# Altium PCB Layout.PcbDoc (part 1 of 2) (continued)
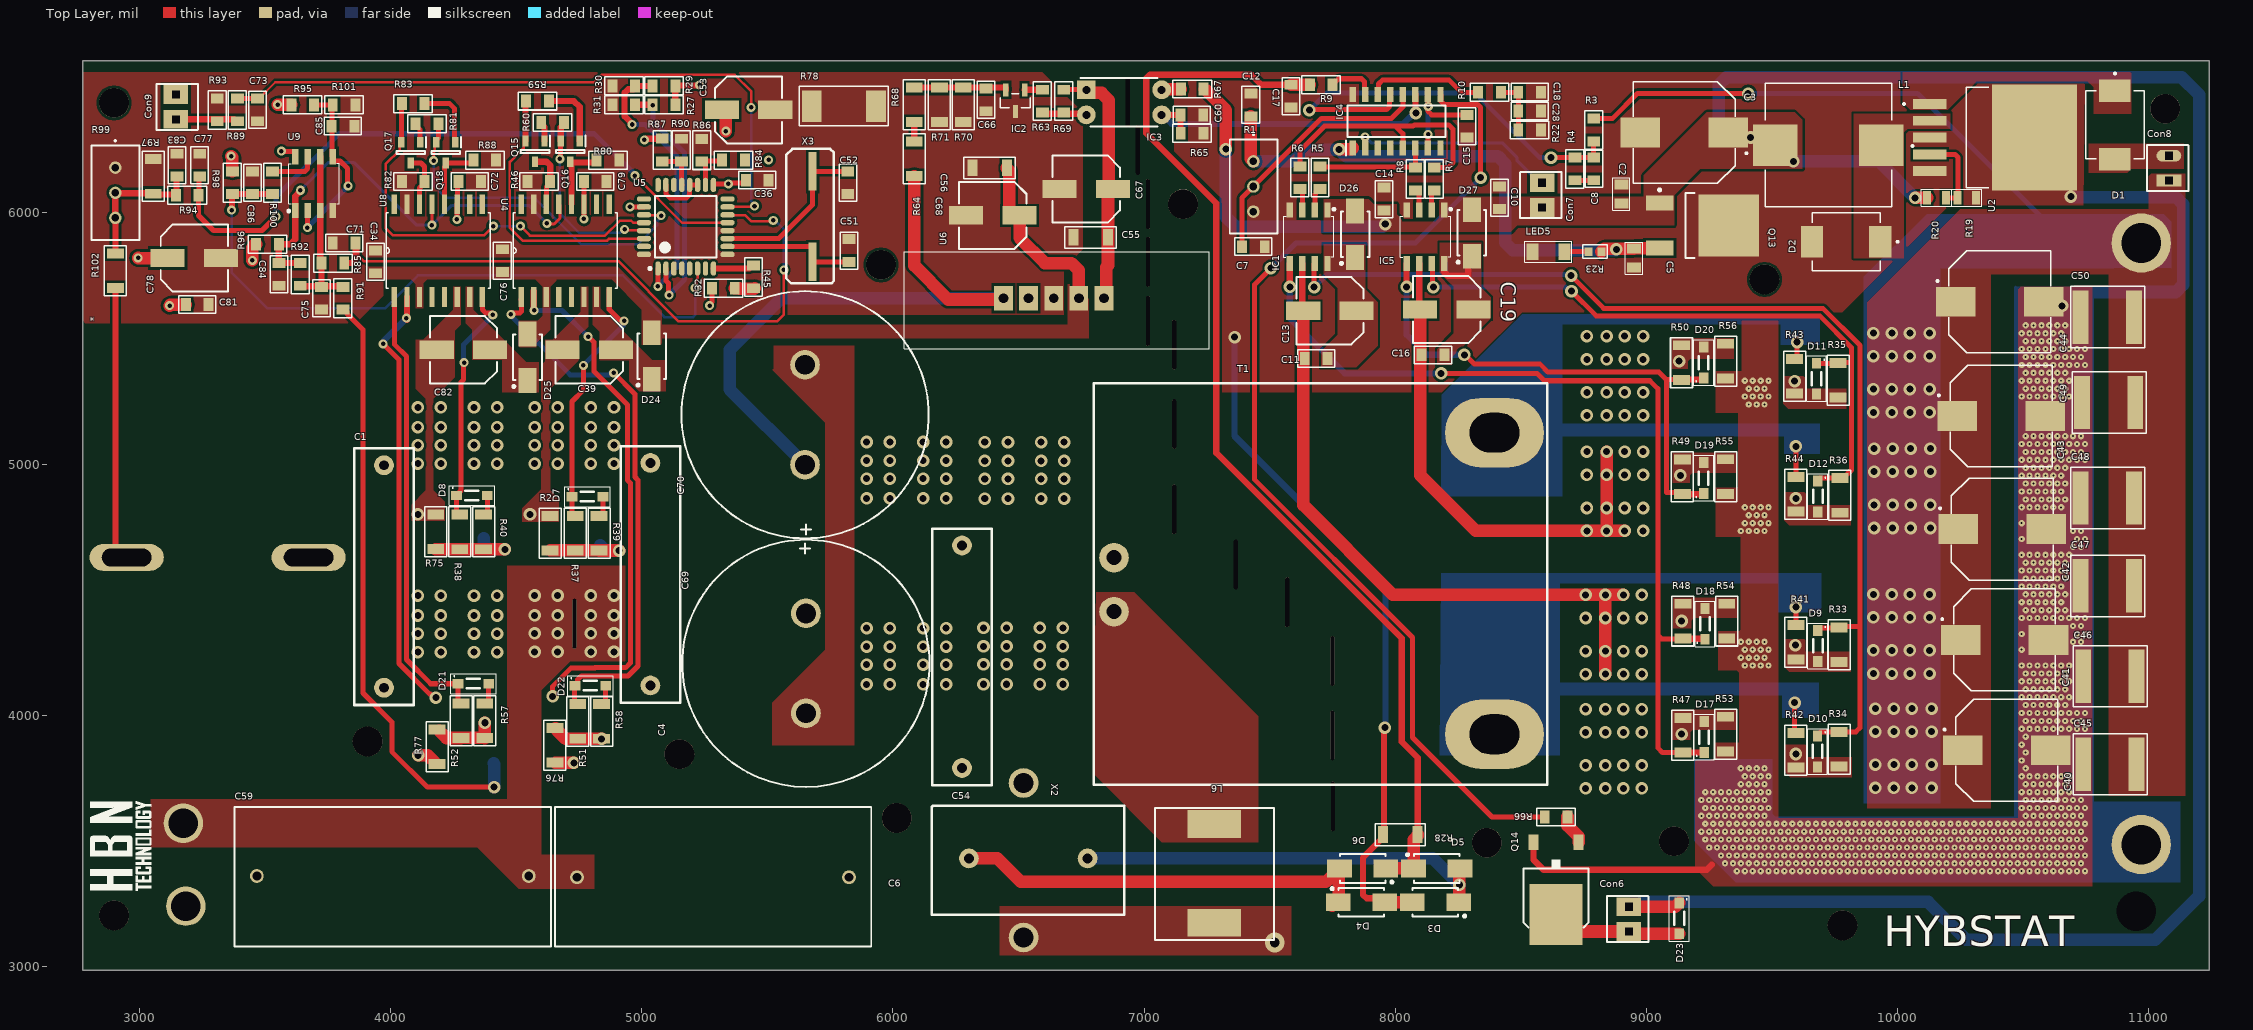
[diagram p0: Top Layer view]
## Footprints (in the part's own frame and the unit in brackets; to place one, negate y for a bottom-side part, rotate by r counter-clockwise, add the part's x,y. Pads: shape width x height; smd on the part's side, far side on the other; paste and mask are expansions set on the pad)
2pinCon [mm]
  rect 2.5x1.9 hole 0.762 square: 1(0,0.025) 2(0,-2.475)
  silkscreen extent -1.96,-3.57 2.22,1.1, body extent -3.3,-3.81 3.05,1.27, height 10.68
"680nF bulk" [mm]
  round 2 hole 1: 1(1.75,3) 2(24.25,3)
  silkscreen extent 0,-0.03 25.95,6, body extent -0.35,-0.05 26.15,5.95, height 15
3386W [mm]
  round 1.26 hole 0.76: 1(-2.54,-2.44) 2(0,-2.44) 3(2.54,-2.44)
  silkscreen extent -5.32,-4.83 4.76,0
C-0805 [mm]
  rect 1x1.4 smd: 1(-0.95,0) 2(0.95,0)
  silkscreen extent -1.63,-0.87 1.63,0.87, body extent -1,-0.62 1,0.63, height 1.01
C-0805W [mm] "capacitor 0805 wave soldering"
  rect 1x1.3 smd: 1(-1.15,0) 2(1.15,0)
  silkscreen extent -1.88,-0.9 1.88,0.87, body extent -1,-0.63 1,0.63, height 0.78
C-1206W [mm] "capacitor 1206 wave soldering"
  rect 1x1.7 smd: 1(-1.75,0) 2(1.75,0)
  silkscreen extent -2.6,-1.07 2.6,1.1, body extent -1.6,-0.8 1.6,0.8, height 1
C-2220R [mm] "capacitor 2220 reflow soldering"
  rect 1.6x5.4 smd: 1(-2.7,0) 2(2.7,0)
  silkscreen extent -3.8,-3.1 3.7,3.1, body extent -2.85,-2.5 2.85,2.5, height 2.24
"CAP.POL 22UF 500VDC - duplicate" [mm]
  round 1.4 hole 0.9: 1(0,0) 2(27.5,0)
  silkscreen extent -2.25,-6.98 29.75,7.11, body extent -1.22,-6.45 28.77,6.55, height 23.01
CAP_EEETC1C331V#1 [mm]
  rect 4x3 smd paste-2 mask+0: 1(-4.445,0) 2(4.445,0)
  silkscreen extent -6.4,-5.15 5.15,5.15, body extent -5.85,-5.15 5.85,5.15, height 10.52
CAP_EEETC1C331V#2 [mm]
  rect 4x3 smd paste-2 mask+0.102: 1(-4.445,0)
  rect 4x3 smd paste-2 mask+0: 2(4.445,0)
  silkscreen extent -6.4,-5.15 5.15,5.15, body extent -5.85,-5.15 5.85,5.15, height 10.52
CapSmdElc [mm] "Aluminum Electrolytic Capacitor, Body 6.70x6.70x6.30mm, IPC Low Density"
  rect 3.45x1.85 smd: 1(-2.7,0) 2(2.7,0)
  silkscreen extent -3.4,-3.4 3.4,3.4, body extent -3.45,-3.27 3.55,3.32, height 6.92
Conn [mm]
  rect 2.5x1.2 hole 0.762 square: 1(0,0.025)
  oval 2.5x1.2 hole 0.762 square: 2(0,-2.475)
  silkscreen extent -1.96,-3.57 2.22,1.1, body extent -1.24,-3.74 1.3,1.34, height 8.15
crystal [mm]
  rect 3.9x0.8 smd: 1(0,0) 2(9.153,0)
  silkscreen extent -2.16,-2.16 11.43,2.67, body extent -1.67,-2.27 10.83,2.53, height 4.01
ct [mm]
  round 2 hole 1: 1(0,0) 2(12,0)
  round 3 hole 2: 3(6.477,-7.62) 4(6.477,8.001)
  silkscreen extent -3.68,-5.33 15.75,5.72
D-PAK_TO252AA [mm] "D-PAK_TO252AA"
  rect 1x1.6 smd: 1(-2.28,-4.8) 3(2.28,-4.8)
  rect 5.4x6.2 smd: 4(0,2.5)
  silkscreen extent -3.28,-3.02 3.28,3.82, body extent -3.35,-4.82 3.15,3.88, height 2.3
DIOM7959X265N [mm]
  rect 2.25x3.18 smd: A(3.455,0) C(-3.455,0)
  silkscreen extent -5.3,-2.95 3.44,2.95, body extent -4.1,-2.95 3.84,2.95, height 2.62
DIP762W60P254L458H480Q4N [mm]
  rect 1.9x1.9 hole 0.8: 1(-3.81,1.27)
  round 1.9 hole 0.8: 2(-3.81,-1.27) 3(3.81,-1.27) 4(3.81,1.27)
  silkscreen extent -4.41,-2.44 3.4,2.44, body extent -3.96,-2.29 3.96,2.29, height 4.8
DO-214AC [mm]
  rect 2.5x1.8 smd: a(2.35,0) k(-2.35,0)
  silkscreen extent -3.08,-1.45 2.3,1.51, body extent -2.77,-1.42 2.72,1.37, height 2.3
DPAK_TO263 [mm] "D2-PAK, 3-Pads, Body 7.93x8.70mm (max), IPC Medium Density"
  rect 3.81x2.32 smd: 1(-6.2,2.54) 2(-6.2,-2.54)
  rect 9.65x11 smd: 3(5,0)
  silkscreen extent -6.32,-5.35 -1.62,5.35, body extent -7.51,-4.98 8.16,5.02, height 4.81
"DPAK_TO263 - sch" [mm] "D2-PAK, 3-Pads, Body 7.93x8.70mm (max), IPC Medium Density"
  rect 3.81x2.32 smd: 1(-6.2,2.54) 2(-6.2,-2.54)
  rect 9.65x11 smd: 1(5,0)
  silkscreen extent -6.32,-5.35 -1.62,5.35, body extent -7.51,-4.98 8.16,5.02, height 4.81
EG1185 [mm]
  rect 2.5x1.9 hole 1: 1(0,-3.81) 2(0,-1.27) 3(0,1.27) 4(0,3.81) 5(0,6.35)
  silkscreen extent -4.7,-13.84 5.08,17.02
EG8010 [mm]
  oval 1.45x0.55 smd: 1(-4.225,2.8) 2(-4.225,2) 3(-4.225,1.2) 4(-4.225,0.4) 5(-4.225,-0.4) 6(-4.225,-1.2) 7(-4.225,-2) 8(-4.225,-2.8) 17(4.225,-2.8) 18(4.225,-2) 19(4.225,-1.2) 20(4.225,-0.4) 21(4.225,0.4) 22(4.225,1.2) 23(4.225,2) 24(4.225,2.8)
  oval 0.55x1.45 smd: 9(-2.8,-4.225) 10(-2,-4.225) 11(-1.2,-4.225) 12(-0.4,-4.225) 13(0.4,-4.225) 14(1.2,-4.225) 15(2,-4.225) 16(2.8,-4.225) 25(2.8,4.225) 26(2,4.225) 27(1.2,4.225) 28(0.4,4.225) 29(-0.4,4.225) 30(-1.2,4.225) 31(-2,4.225) 32(-2.8,4.225)
  silkscreen extent -4.35,-3.1 3.1,3.75, body extent -4.5,-4.5 4.5,4.5, height 1.6
eq4020 [mm]
  round 3 hole 1.5: 1(1.016,22.86) 2(1.016,17.399)
  oval 10x7 hole 4 slot 5 at 0 deg: 3(39.497,5) 4(39.497,35.5)
  silkscreen extent -1.02,-0.13 44.83,40.51
IND_MDH12577C-101MA=P3 [mm]
  rect 4.5x4.2 smd: 1(-5.35,0) 2(5.35,0)
  silkscreen extent -8.6,-6.25 6.4,6.25, body extent -6.36,-6.28 6.44,6.22, height 8
inductor [mm]
  rect 5.4x2.8 smd: 1(0,5) 2(0,-5)
  silkscreen extent -6.02,-6.6 6.02,6.73, body extent -6.38,-6.25 6.12,6.25, height 8.01
Koshin [mm]
  round 3 hole 2: 1(0,0) 2(10.1,0)
  silkscreen extent -7.45,-12.5 19.1,12.5, body extent -6.05,-11.18 15.95,10.82, height 49.77
LED1206 [mm]
  rect 1.2x1.7 smd: 1(-1.6,0) 2(1.6,0)
  silkscreen extent -2.4,-1.05 2.37,1.05, body extent -1.73,-0.8 1.48,0.8, height 1.11
Lgrid [mm]
  oval 7.5x2.7 hole 1.8 slot 5 at 0 deg: 1(10.687,-0.59) 2(-7.713,-0.59)
  body extent -11.28,-23.59 13.72,22.41, height 48.01
R-0603R [mm] "resistor 0603 reflow soldering"
  rect 0.8x0.9 smd: 1(-0.65,0) 2(0.65,0)
  silkscreen extent -1.25,-0.67 1.25,0.7, body extent -0.8,-0.4 0.8,0.4, height 0.45
R-0805 [mm]
  rect 0.8x1.4 smd: 1(-0.95,0) 2(0.95,0)
  silkscreen extent -1.53,-0.87 1.53,0.87, body extent -1,-0.62 1,0.62, height 0.56
R-0805W [mm] "resistor 0805 wave soldering"
  rect 1x1.3 smd: 1(-1.15,0) 2(1.15,0)
  silkscreen extent -1.95,-0.9 1.95,0.9, body extent -1,-0.62 1,0.63, height 0.5
R-1206W [mm] "resistor 1206 wave soldering"
  rect 1x1.7 smd: 1(-1.75,0) 2(1.75,0)
  silkscreen extent -2.52,-1.1 2.52,1.12, body extent -1.55,-0.77 1.55,0.78, height 0.55
R-2512W [mm] "resistor 2512 wave soldering"
  rect 2x3.2 smd: 1(-3.25,0) 2(3.25,0)
  silkscreen extent -4.5,-2 4.5,2, body extent -3.15,-1.55 3.15,1.55, height 0.55
SOD123 [mm]
  rect 1.1x0.95 smd: a(3.063,0.05) k(-0.062,0.05)
  silkscreen extent -0.8,-0.95 3.8,1.05, body extent -0.38,-0.78 3.32,0.83, height 1.28
SOIC127P600X175-8N [mm]
  rect 1.525x0.65 smd: 1(-2.712,1.905) 2(-2.712,0.635) 3(-2.712,-0.635) 4(-2.712,-1.905) 5(2.712,-1.905) 6(2.712,-0.635) 7(2.712,0.635) 8(2.712,1.905)
  silkscreen extent -2.89,-2.53 2.07,2.67, body extent -3,-2.45 3,2.45, height 1.75
SOIC127P600X175-16N [mm]
  rect 1.525x0.65 smd: 1(-2.712,4.445) 2(-2.712,3.175) 3(-2.712,1.905) 4(-2.712,0.635) 5(-2.712,-0.635) 6(-2.712,-1.905) 7(-2.712,-3.175) 8(-2.712,-4.445) 9(2.712,-4.445) 10(2.712,-3.175) 11(2.712,-1.905) 12(2.712,-0.635) 13(2.712,0.635) 14(2.712,1.905) 15(2.712,3.175) 16(2.712,4.445)
  silkscreen extent -3.47,-4.95 1.6,5.12, body extent -3,-4.95 3,4.95, height 1.75
SOIC127P1032X265-16N [mil]
  rect 78x21 smd: 1(-185,175) 2(-185,125) 3(-185,75) 4(-185,25) 5(-185,-25) 6(-185,-75) 7(-185,-125) 8(-185,-175) 9(185,-175) 10(185,-125) 11(185,-75) 12(185,-25) 13(185,25) 14(185,75) 15(185,125) 16(185,175)
  silkscreen extent -150,-207 150,207, body extent -204,-205 202,203, height 104
SOT95P237X112-3N [mil]
  rect 52x22 smd: 1(-43,37) 2(-43,-37)
  rect 52x20 smd: 3(43,0)
  silkscreen extent -28,-60 28,60, body extent -50,-57 50,57, height 40
SOT96P240X100-3N [mm]
  rect 1.1x0.65 smd: 1(-1.05,0.96) 2(-1.05,-0.96) 3(1.05,0)
  silkscreen extent -1.6,-1.45 0.15,1.54, body extent -1.2,-1.45 1.2,1.45, height 1
TO-252 [mm]
  rect 2.8x1.5 smd: 1(-4,2.275) 3(-4,-2.275)
  rect 6.1x6.3 smd: 4(3,0)
  silkscreen extent -4.12,-3.3 -0.45,3.72, body extent -4.52,-3.37 5.58,3.37, height 2.41
VREG_TPS79625KTTR [mm]
  rect 3.4x1 smd paste-3 mask+0: 1(-10.6,3.4) 2(-10.6,1.7) 3(-10.6,0) 4(-10.6,-1.7) 5(-10.6,-3.4)
  rect 8.6x10.7 smd paste-6 mask+0: 6(0,0)
  silkscreen extent -13.3,-5.08 -4.62,5.08, body extent -11.52,-5.1 2.83,5.06, height 4.78

## Part data
C1 C4 C54: library part 680
C2 C5: library part C-0805
C3: library part "CAP 330UF SMD", "CAP ALUM 330UF 20% 16V SMD", Package="RADIAL-2 Panasonic", Availability="In Stock", Check_prices=https://www.snapeda.com/parts/EEE-TC1C331V/Panasonic/view-part/6178283/?ref=eda, MF="Panasonic Electronic Components", MP=EEE-TC1C331V, Price=None, Purchase-URL=https://pricing.snapeda.com/search/part/EEE-TC1C331V/?ref=eda, SnapEDA_Link=https://www.snapeda.com/parts/EEE-TC1C331V/Panasonic/view-part/6178283/?ref=snap
C6 C59: library part "CAP.POL 22UF 500VDC", ComponentLink1Description=https://www.ozdisan.com/pasif-komponentler/kondansatorler/film-kondansatorler/C3D2H226JB00C00, ComponentLink1URL=https://www.ozdisan.com/pasif-komponentler/kondansatorler/film-kondansatorler/C3D2H226JB00C00
C13 C19 C39 C53 C78 C82: library part "100 uF Electr Cap"
C40 C41 C42 C43 C44: library part "Aluminum Electrolytic Capacitors", Capacitance=4.7mF, Case/Package=Radial, Manufacturer=Nichicon, Manufacturer Part Number=LKS1J472MESZ, Max Operating Temperature=85°C, Min Operating Temperature=-40°C, Package Quantity=250, Ripple Current=3A, Supplier Part Number 1=647-LKS1J472MESZ, Tolerance=20%, Voltage Rating=63V, ComponentLink2Description=https://www.ozdisan.com/pasif-komponentler/kondansatorler/aluminyum-kondansatorler/PKL5-063V472MM450, ComponentLink2URL=https://www.ozdisan.com/pasif-komponentler/kondansatorler/aluminyum-kondansatorler/PKL5-063V472MM450, Diameter=22mm, Height - Seated (Max)=1.772inch, Lead Pitch=0.394inch, Length=45mm, Life (Hours)=1000Hour, Mount="Through Hole", Packaging=Bulk, RoHS=Yes, Supplier 1=Mouser, Termination="Snap in", Voltage Rating (DC)=63V
C45 C46 C47 C48 C49 C50: library part Cap2220, "2220", Manufacturer=SAMSUNG, Özdisan Part Number=CL31B475KBHNNNE, Link=https://www.ozdisan.com/pasif-komponentler/kondansatorler/smd-kondansatorler-mlcc/CL31B475KBHNNNE, Price=0,10407
C67 C68: library part CAPSMDELC
C69 C70: library part "CAP.EL.220uF 500V", ComponentLink1Description=https://www.ozdisan.com/pasif-komponentler/kondansatorler/aluminyum-kondansatorler/K055002210PM0E040, ComponentLink1URL=https://www.ozdisan.com/pasif-komponentler/kondansatorler/aluminyum-kondansatorler/K055002210PM0E040
D1 D2: "Diode Schottky 40V 5A Surface Mount DO-214AA (SMB)", Package="DO-214 ON Semiconductor", Arrow_Electronics-Purchase-URL=https://snapeda.com/shop?store=Arrow+Electronics&id=432205, Availability=Good, DigiKey-Purchase-URL=https://snapeda.com/shop?store=DigiKey&id=432205, MF="ON Semiconductor", Mouser-Purchase-URL=https://snapeda.com/shop?store=Mouser&id=432205, MP=MBRS320T3G, Price=None, SnapEDA_Link=https://www.snapeda.com/parts/MBRS320T3G/ON%20Semiconductor/view-part/432205/?ref=snap
D3 D4 D5 D6 D13 D14 D15 D16 D24 D25 D26 D27: "DIODE FAST SWITCHING Single 150mA 75V SMT SOD323"
D7 D8 D9 D10 D11 D12 D17 D18 D19 D20 D21 D22 D23: library part 1N4148W-E3-18, "Diode Small Signal Switching 100V 0.15A 2-Pin SOD-123 T/R", Average Rectified Current=150mA, Forward Voltage=1.2V, Manufacturer=Vishay, Max Operating Temperature=150°C, Max Power Dissipation=350mW, Max Repetitive Reverse Voltage (Vrrm)=100V, Max Reverse Leakage Current=5uA, Max Reverse Voltage (DC)=75V, Max Surge Current=2A, Min Operating Temperature=-55°C, Package Quantity=10000, Peak Reverse Current=100uA, Supplier Part Number 1=70061597, ComponentLink1Description=https://datasheet.ciiva.com/29885/1n4148w-29885941.pdf?src-supplier=Avnet, ComponentLink1URL=https://datasheet.ciiva.com/29885/1n4148w-29885941.pdf?src-supplier=Avnet, ComponentLink2Description=https://datasheet.ciiva.com/29593/1n4148w-29593113.pdf?src-supplier=Digi-Key, ComponentLink2URL=https://datasheet.ciiva.com/29593/1n4148w-29593113.pdf?src-supplier=Digi-Key, ComponentLink3Description=https://datasheet.ciiva.com/29593/1n4148w-29593111.pdf?src-supplier=Digi-Key, ComponentLink3URL=https://datasheet.ciiva.com/29593/1n4148w-29593111.pdf?src-supplier=Digi-Key, ComponentLink4Description=https://datasheet.ciiva.com/29593/1n4148w-29593112.pdf?src-supplier=Digi-Key, ComponentLink4URL=https://datasheet.ciiva.com/29593/1n4148w-29593112.pdf?src-supplier=Digi-Key, Contact Plating=Tin, Element Configuration=Single, Forward Current=150mA, Height=1.25mm, Lead Free="Lead Free", Length=2.85mm, Manufacturer Part Number=1N4148W-E3-18, Mount="Surface Mount", Number of Pins=2, Packaging="Tape and Reel", Peak Non-Repetitive Surge Current=2A, Power Dissipation=350mW, Pricing 1="1 = 0.03900, 25 = 0.03800, 100 = 0.03600, 250 = 0.03400, 500 = 0.03200, 1000 = 0.03100, 2500 = 0.02900 (USD)", Radiation Hardening=No, Recovery Time=4ns, Reverse Recovery Time=4ns, RoHS=Yes, Stock 1=6838, Supplier 1="Allied Electronics", Weight=0.000363oz, Width=1.7mm
IC1 IC5: "Integrated Circuit", Arrow Part Number=LM393ADR, Manufacturer_Name="Texas Instruments", Mouser Part Number=595-LM393ADR, Arrow Price/Stock=https://www.arrow.com/en/products/lm393adr/texas-instruments, Datasheet Link=http://www.ti.com/lit/ds/symlink/lm393a.pdf, Height=1.75mm, Manufacturer_Part_Number=LM393ADR, Mouser Price/Stock=https://www.mouser.co.uk/ProductDetail/Texas-Instruments/LM393ADR?qs=VolsR0DjNPq76ZV6Dhd8nQ%3D%3D
IC2: "Integrated Circuit", Manufacturer_Name="Texas Instruments", Mouser Part Number=595-TL431ACDBZR, Arrow Part Number=TL431ACDBZR, Arrow Price/Stock=https://www.arrow.com/en/products/tl431acdbzr/texas-instruments?region=nac, Datasheet Link=https://datasheet.datasheetarchive.com/originals/distributors/SFDatasheet-6/sf-000131849.pdf, Manufacturer_Part_Number=TL431ACDBZR, Mouser Price/Stock=https://www.mouser.co.uk/ProductDetail/Texas-Instruments/TL431ACDBZR?qs=odmYgEirbwzMcBuFx%2Fo8hQ%3D%3D
IC3: "Integrated Circuit", Manufacturer_Name=Everlight, Mouser Part Number=638-EL817C, Datasheet Link=https://componentsearchengine.com/Datasheets/1/EL817(C).pdf, Height=4.8mm, Manufacturer_Part_Number=EL817(C), Mouser Price/Stock=https://www.mouser.com/Search/Refine.aspx?Keyword=638-EL817C
IC4: "Integrated Circuit", Manufacturer_Name=STMicroelectronics, Manufacturer_Part_Number=HCF4538M013TR, Mouser Part Number=511-4538BM-TR, Datasheet Link=http://www.st.com/resource/en/datasheet/cd00000410.pdf, Height=1.75mm, Mouser Price/Stock=https://www.mouser.com/Search/Refine.aspx?Keyword=511-4538BM-TR
L1: library part "220uH Inductor SMD", "Inductor Power Shielded Wirewound 220uH 20% 100KHz Ferrite 1.1A 0.325Ohm DCR 5049 Automotive T/R", Package=None, Availability=Unavailable, MP=MDH12577C-101MA=P3, Price=None
LED5: "LED", Manufacturer_Name=Lite-On, Mouser Part Number=859-LTST-C150KGKT, RS Part Number=6920871, Datasheet Link=http://optoelectronics.liteon.com/upload/download/ds22-2000-072/ltst-c150kgkt.pdf, Height=1.2mm, Manufacturer_Part_Number=LTST-C150KGKT, Mouser Price/Stock=https://www.mouser.com/Search/Refine.aspx?Keyword=859-LTST-C150KGKT, RS Price/Stock=https://uk.rs-online.com/web/p/products/6920871
Q1 Q2 Q3 Q4 Q5 Q6 Q7 Q8 Q9 Q10 Q11 Q12: library part TO-263_1
Q13: Case/Package=D2PAK, Continuous Drain Current (ID)=110A, Drain to Source Breakdown Voltage=55V, Drain to Source Resistance=8mR, Gate to Source Voltage (Vgs)=20V, Input Capacitance=3.247nF, Manufacturer=Infineon, Manufacturer Part Number=IRF3205STRLPBF, Max Operating Temperature=175°C, Max Power Dissipation=200W, Min Operating Temperature=-55°C, Supplier Part Number 1=IRF3205STRLPBFCT-ND, Threshold Voltage=4V, ComponentLink1Description=https://www.alliedelec.com/m/d/b8827ca43655240244f0cc5c2198e6b1.pdf?src-supplier=Allied+Electronics, ComponentLink1URL=https://www.alliedelec.com/m/d/b8827ca43655240244f0cc5c2198e6b1.pdf?src-supplier=Allied+Electronics, ComponentLink2Description=https://www.infineon.com/dgdl/irf3205spbf.pdf?fileId=5546d462533600a4015355defac9190c&src-supplier=Digi-Key, ComponentLink2URL=https://www.infineon.com/dgdl/irf3205spbf.pdf?fileId=5546d462533600a4015355defac9190c&src-supplier=Digi-Key, ComponentLink3Description=http://www.infineon.com/dgdl/irf3205spbf.pdf?fileId=5546d462533600a4015355defac9190c&src-supplier=Digi-Key, ComponentLink3URL=http://www.infineon.com/dgdl/irf3205spbf.pdf?fileId=5546d462533600a4015355defac9190c&src-supplier=Digi-Key, ComponentLink4Description=http://www.farnell.com/datasheets/1884183.pdf?src-supplier=Element14, ComponentLink4URL=http://www.farnell.com/datasheets/1884183.pdf?src-supplier=Element14, Drain to Source Voltage (Vdss)=55V, Height=0.19inch, Lead Free="Lead Free", Length=0.42inch, Mount="Surface Mount", Number of Pins=3, Packaging="Cut Tape", Power Dissipation=200W, Pricing 1="1 = 1,84000, 10 = 1,66600, 100 = 1,33840 (USD)", Rds On Max=8mR, REACH SVHC="No SVHC", RoHS=Yes, Stock 1=3281, Supplier 1=Digi-Key, Turn-Off Delay Time=50ns, Turn-On Delay Time=14ns, Width=0.38inch
Q15 Q16 Q17 Q18: "Transistor BJT PNP", Manufacturer_Name="Diodes Inc.", Mouser Part Number=522-FMMT723TA, Arrow Part Number=FMMT723TA, Arrow Price/Stock=https://www.arrow.com/en/products/fmmt723ta/diodes-incorporated, Datasheet Link=https://componentsearchengine.com/Datasheets/2/FMMT723TA.pdf, Height=1mm, Manufacturer_Part_Number=FMMT723TA, Mouser Price/Stock=https://www.mouser.co.uk/ProductDetail/Diodes-Incorporated/FMMT723TA?qs=MQZxQ7B7MZKu7Wrs0zY3fA%3D%3D
R1 R99: "Resistor", Manufacturer_Name=Bourns, Mouser Part Number=652-3386W-1-503LF, Arrow Part Number=3386W-1-503LF, Arrow Price/Stock=https://www.arrow.com/en/products/3386w-1-503lf/bourns, Datasheet Link=http://www.bourns.com/docs/Product-Datasheets/3386.pdf, Manufacturer_Part_Number=3386W-1-503LF, Mouser Price/Stock=https://www.mouser.co.uk/ProductDetail/Bourns/3386W-1-503LF?qs=aZhnFHiXcUS20GqScAFfrw%3D%3D
R19: library part "1K 0805", "1 kOhms ±1% 0.125W, 1/8W Chip Resistor 0805 (2012 Metric) Moisture Resistant Thick Film", +Sicaklik=+155, -Sicaklik=-55, Cins=Direnc, Deger=1KΩ, Kılıf=0805, Lehim Yöntemi=SMD, MSL="1 (Unlimited)", Uretici Kodu=RC0805FR-071KL
R20: library part "RES 11KΩ SMD", "THICK FILM RESISTOR, 11KOHM, 125mW, 5%", Package=None, Availability=Unavailable, MP=CRCW080511K0JNEA, Price=None
R23: library part R-0603
R61 R62 R78: library part R-2512
U2: "SIMPLE SWITCHER&reg; 40V, 3A Low Component Count Step-Down Regulator 5-DDPAK/TO-263 -40 to 125", Package="TO-263-5 Texas Instruments", Availability=Warning, BuyPart=https://www.snapeda.com/parts/LM2576S-12/NOPB/Texas%20Instruments/view-part/470772/?ref=eda, DigiKey-Purchase-URL=https://snapeda.com/shop?store=DigiKey&id=470772, MF="Texas Instruments", Mouser-Purchase-URL=https://snapeda.com/shop?store=Mouser&id=470772, MP=LM2576S-12/NOPB, Price=None, SnapEDA_Link=https://www.snapeda.com/parts/LM2576S-12/NOPB/Texas%20Instruments/view-part/470772/?ref=snap, Texas_Instruments-Purchase-URL=https://snapeda.com/shop?store=Texas+Instruments&id=470772
U4 U8: "Half-Bridge Gate Driver IC Non-Inverting 16-SOIC", Package="SOIC-16 Infineon", Availability=Unavailable, MF="Infineon Technologies", MP=IR2113S, Price=None, SnapEDA_Link=https://www.snapeda.com/parts/IR2113S/Infineon%20Technologies/view-part/577803/?ref=snap
U5: "EG8010 is a CMOS IC that integrates SPWM sinusoid generator, dead / time control circuit, range divider，soft start circuit, circuit protection, RS232 serial communication, / 12832 serial LCD unit, and etc."
U6: library part eg1185
U9: "Dual differential comparator, commercial grade 8-SOIC 0 to 70", Package="SOIC-8 Texas Instruments", Arrow_Electronics-Purchase-URL=https://snapeda.com/shop?store=Arrow+Electronics&id=4806035, Availability=Good, BuyPart=https://www.snapeda.com/parts/LM393D/Texas%20Instruments/view-part/4806035/?ref=eda, MF="Texas Instruments", Mouser-Purchase-URL=https://snapeda.com/shop?store=Mouser&id=4806035, MP=LM393D, Price=None, SnapEDA_Link=https://www.snapeda.com/parts/LM393D/Texas%20Instruments/view-part/4806035/?ref=snap, Texas_Instruments-Purchase-URL=https://snapeda.com/shop?store=Texas+Instruments&id=4806035
X3: "AS49SD-16M-FC160F3-TR"
Con8: System=Connector

## Free pads (board coordinates)
  oval 15x196.85 hole 15 slot 196.85 at 90 deg: 5(4732.1,4364.5) 5(6935,6440) 5(6975,6250) 5(7015,5570) 5(7015,5805) 5(7015,6035) 5(7120,4820) 5(7120,5160) 5(7120,5475) 5(7365,4600) 5(7570,4450) 5(7749.95,3919.77) 5(7750.11,4216.06) 5(7751.61,3637)
  round 118.11 hole 118.11: 8(2898.98,3202.89) 8(2898.98,6437.89) 8(3908.29,3895.42) 8(5150,3845) 8(5952.21,5792.88) 8(6014.66,3590.51) 8(7155,6035) 8(8364.16,3492.73) 8(9109.51,3498.47) 8(9470,5735) 8(9780.45,3163) 8(11065,6415)
  round 157.48 hole 118.11: 12(3175,3570) 12(3185,3240)
  round 236.22 hole 157.48: 12(10970,3485) 12(10970,5880)
  round 60 hole 157.48: 30(10950,3220)

## Via types
v1: diameter 25/25 (per signal layer), hole 7.87, Top Layer to Bottom Layer, 755 vias
v2: diameter 50, hole 28, Top Layer to Bottom Layer, 305 vias
v3: diameter 36, hole 18, Top Layer to Bottom Layer, 51 vias
v4: diameter 78.74, hole 39.37, Top Layer to Bottom Layer, 1 vias

## Nets (pads, with @x,y where several pads share a name; then routed paths per layer and width w, separated by ;. In a path a pad name is that pad's centre, name@x,y a point inside that pad or via, vN(x,y) a via of type N, cw(c..) or ccw(c..) an arc to the next point about the centre after c; other vN are vias at no path point)
1HO: D8.k R38.1 U8.8 | length 970.1
  Top Layer w20: R38.1@4275,4798.54 4271.65,4798.54 4261.97,4808.23 D8.k@4261.97,4874.65 4264.92,4874.65 4273.62,4883.35 4273.62,4888.68 4280,4895.06 4280,5325.94 4290,5335.94 v3@4290,5400 ; U8.8@4365,5665 4365.5,5664.5 4365.5,5614.5 4379.26,5600.74 4404.26,5600.74 v3@4410,5595
  Bottom Layer w20: v3@4290,5400 4290,5475 v3@4410,5595
  other v3: 4293.02,5403.98 4406.76,5593.48
1LO: D21.k R52.1 U8.1 | length 1792.4
  Top Layer w20: U8.1@4015,5665 4015,5476.94 4063.3,5428.65 4063.3,4221.7 4159.74,4125.26 D21.k@4267.64,4125.26 4267.64,4056.88 4277.32,4047.19 R52.1@4280.1,4047.19
2HO: D7.k R37.1 U4.8 | length 1028
  Top Layer w20: R37.1@4735,4793.54 4731.65,4793.54 4721.97,4803.23 D7.k@4721.97,4869.65 4721.97,5248.64 4767.49,5294.16 v3(4767.49,5393) ; U4.8@4870,5695 U4.8@4870,5665 4870.5,5664.5 4870.5,5615.51 4912.95,5573.06 4926.94,5573.06 v3(4930,5570)
  Bottom Layer w20: v3(4767.49,5393) 4926.94,5552.45 4926.94,5566.94 v3(4930,5570)
2LO: D22.k R51.1 U4.1 | length 2180.6
  Top Layer w20: v3@4475,5595 4480.74,5600.74 4514.52,5600.74 4520.5,5606.72 4520.5,5654.5 U4.1@4520,5655 ; D22.k@4732.54,4121.97 4732.54,4053.58 4742.22,4043.9 R51.1@4745,4043.9 ; D22.k@4744.19,4130.67 4744.19,4141.25 4759.09,4156.14 4944.89,4156.14 4985,4196.26 4985,4936.07 4972.86,4948.21 4972.86,5278.39 v3(4888.29,5362.96)
  Bottom Layer w20: v3@4475,5595 4715,5355 4869.02,5355 4873.92,5359.9 4885.23,5359.9 v3(4888.29,5362.96)
  other v3: 4478.47,5595.62
5v: C5.1 C12.2 IC4.1 Q13.3 R1.1 R23.2 | length 2293.9
  Top Layer w50: C12.2@7425,6384.45 7425,6215 R1.1@7435,6205 ; v2(7776.75,6252.72) 7777.25,6253.21 7824.98,6253.21 IC4.1@7830,6258.23 ; R23.2@8820.63,5845.36 8832.67,5857.4 C5.1@8950,5857.4 8951.52,5858.92 9051,5858.92 Q13.3@9052.52,5860.43
  Bottom Layer w50: R1.1@7435,6205 7592.44,6205 7639.03,6251.59 7775.63,6251.59 v2(7776.75,6252.72) 7803.97,6225.5 8408.31,6225.5 8437.6,6196.21 8437.6,5881.15 8466.89,5851.86 8876.86,5851.86 v2(8880,5855)
5V2: C36.2 C53.1 C55.1 C67.1 C72.2 C78.1 C79.2 C81.2 Con9.1 IC3.1 R27.2 R29.2 R32.1 R69.1 R84.1 R87.1 R95.2 R96.2 R98.1 U4.11 U5.17 U5.26 U6.5 U8.11 U9.8 | length 2379.1
  Top Layer w20: v3(3565,6245.66) 3567.1,6243.56 3619.72,6243.56 3620,6243.28 U9.8@3620,6223.54 ; v3(4263.88,5974.22) 4264.5,5974.84 4264.5,6034.5 4265.5,6035.5 4265.5,6120.78 C72.2@4269.72,6125 ; v3(4769.7,5975.73) 4769.85,5975.88 U4.11@4769.85,6006.62 ; C79.2@4769.72,6125 4769.86,6124.86 U4.11@4769.86,6006.64 ; v3(4953.11,6024.17) 4953.32,6023.95 5008.45,6023.95 U5.26@5008.66,6023.74 ; v3(5270,5630.66) 5270,5634.99 5279.72,5644.71 R32.1@5279.72,5700 ; U5.17@5285.24,6111.34 5285.24,6114.9 5286,6115.66 v3(5345,6115.66) 5348.07,6118.72 5405.04,6118.72 5414.72,6128.41 C36.2@5414.72,6130 ; R69.1@6680,6490.28 6769.72,6490.28 IC3.1@6770,6490
  Top Layer w25: v3(5010,6290.66) 5012.98,6290.66 5017.91,6295.59 R87.1@5081.45,6295.59 ; R27.2@5133.76,6430.55 R29.2@5133.76,6505.55 5135.75,6507.54 5228.57,6507.54 v3(5230.56,6509.53)
  Top Layer w50: v3(2995,5820.66) 2995.66,5820 C78.1@3112.4,5820 ; v3(3120,5630.66) 3123.75,5634.41 3184.41,5634.41 C81.2@3185,5635 ; v3(3365,6225.66) 3369.41,6221.25 3369.41,6165.87 R98.1@3370,6165.28 ; v3(3450,5810.66) 3450,5860.28 3459.41,5869.69 3459.41,5874.41 3460,5875 R96.2@3464.72,5875 ; v3(3550,6430.66) 3550.07,6430.59 3604.13,6430.59 R95.2@3604.72,6430 ; C53.1@5318.7,6410 5323.59,6410 5335,6398.58 v3(5335,6325.66) ; IC3.1@6770,6490 6782.4,6477.6 6830.52,6477.6 6859.81,6448.31 6859.81,6106.42 6871.23,6095 C67.1@6876.3,6095 6867.62,6095 6856.2,6083.58 C55.1@6856.2,5902.85 6856.2,5791.2 6849.22,5784.21 6849.22,5669.22 U6.5@6840,5660
  other v3: 5505,6210.66
12v: C2.1 C3.1 C10.1 C14.1 Con6.2 Con7.1 D23.k D26.a D27.a IC1.1 IC5.1 L1.2 Q13.1 R20.2 R67.1 | length 9873
  Top Layer w50: R67.1@7242.17,6492.39 7325.89,6408.67 v2(7325.89,6253.71) ; Con6.2@8930,3237.44 9114.41,3237.44 D23.k@9130,3253.03 ; v2(10070,6060) R20.2@10117.6,6060
  Bottom Layer w50: v2(7325.89,6253.71) 7325,6252.82 7325,5984.29 7364.09,5945.2 7680.21,5945.2 7950.2,5945.2 v2(7960,5955) ; Con6.2@8930,3237.44 8942.4,3249.84 8976.29,3249.84 8983.5,3257.05 10121.47,3257.05 10272.26,3106.26 11026.26,3106.26 11200,3280 11200,6470.71 11130.71,6540 9317.88,6540 9288.59,6510.71 9288.59,6329.29 9317.88,6300 v2(9415,6300) ; v2(9585,6205) 9925,6205 v2(10070,6060)
15V2: C34.2 C56.1 C68.1 C76.2 D24.a D25.a U4.3 U6.4 U8.3 | length 717.9
  Top Layer w50: C56.1@6453.9,6180 6453.9,6176.85 6462.86,6167.88 6462.86,6001.42 6474.28,5990 C68.1@6504.09,5990 6504.09,5900.91 6605,5800 6710.71,5800 6740,5770.71 U6.4@6740,5660
24V: C40.1 C41.1 C42.1 C43.1 C44.1 C45.1 C46.1 C47.1 C48.1 C49.1 C50.1 Con8.1 pad.12@10970,5880 Q2.3 Q3.3 Q4.3 Q5.3 R3.2 | length 2467.8
  Top Layer w20: R3.2@8790,6375.28 8791.18,6376.46 8865.38,6376.46 8963.92,6475 v2(9405,6475)
  Bottom Layer w20: v2(9405,6475) 10080,6475 10675,5880 pad.12@10970,5880
  other v2: 9911.18,3710.35 9985,3710.35 10056.85,3710.35 10135.59,3710.35 9911.18,3802.87 9985,3802.87 10056.85,3802.87 10135.59,3802.87 9911.18,3934.76 9985,3934.76 10056.85,3934.76 10135.59,3934.76 9911.18,4026.3 9985,4026.3 10056.85,4026.3 10135.59,4026.3 9903.15,4165.47 9976.97,4165.47 10048.82,4165.47 10127.56,4165.47 9903.15,4257.99 9976.97,4257.99 10048.82,4257.99 10127.56,4257.99 9903.15,4389.88 9976.97,4389.88 10048.82,4389.88 10127.56,4389.88 9903.15,4481.42 9976.97,4481.42 10048.82,4481.42 10127.56,4481.42 9906.18,4745.35 9980,4745.35 10051.85,4745.35 10130.59,4745.35 9906.18,4837.87 9980,4837.87 10051.85,4837.87 10130.59,4837.87 9906.18,4969.76 9980,4969.76 10051.85,4969.76 10130.59,4969.76 9906.18,5061.3 9980,5061.3 10051.85,5061.3 10130.59,5061.3 9903.15,5205.47 9976.97,5205.47 10048.82,5205.47 10127.56,5205.47 9903.15,5297.99 9976.97,5297.99 10048.82,5297.99 10127.56,5297.99 9903.15,5429.88 9976.97,5429.88 10048.82,5429.88 10127.56,5429.88 9903.15,5521.42 9976.97,5521.42 10048.82,5521.42 10127.56,5521.42
24V_1: Con8.2 D1.A
400V: C1.2 C4.2 C69.2 C70.2 D13.1 D14.1 Q1.3 Q6.3 R64.2 U6.1 | length 2525.9
  Top Layer w50: R64.2@6085,6146.1 6085,5790 6220,5655 6435,5655 U6.1@6440,5660
  Bottom Layer w50: C70.2@5650,4997.36 5350,5297.36 5350,5455 5555,5660 U6.1@6440,5660
  other v2: 5895.47,4122.44 5987.99,4122.44 6119.88,4122.44 6211.42,4122.44 6360.47,4123.35 6452.99,4123.35 6584.88,4123.35 6676.42,4123.35 5895.47,4201.18 5987.99,4201.18 6119.88,4201.18 6211.42,4201.18 6360.47,4202.09 6452.99,4202.09 6584.88,4202.09 6676.42,4202.09 5895.47,4273.03 5987.99,4273.03 6119.88,4273.03 6211.42,4273.03 6360.47,4273.94 6452.99,4273.94 6584.88,4273.94 6676.42,4273.94 5895.47,4346.85 5987.99,4346.85 6119.88,4346.85 6211.42,4346.85 6360.47,4347.76 6452.99,4347.76 6584.88,4347.76 6676.42,4347.76 4108.58,5001.3 4200.12,5001.3 4332.01,5001.3 4424.53,5001.3 4573.58,5001.3 4665.12,5001.3 4797.01,5001.3 4889.53,5001.3 4108.58,5075.12 4200.12,5075.12 4332.01,5075.12 4424.53,5075.12 4573.58,5075.12 4665.12,5075.12 4797.01,5075.12 4889.53,5075.12 4108.58,5146.97 4200.12,5146.97 4332.01,5146.97 4424.53,5146.97 4573.58,5146.97 4665.12,5146.97 4797.01,5146.97 4889.53,5146.97 4108.58,5225.71 4200.12,5225.71 4332.01,5225.71 4424.53,5225.71 4573.58,5225.71 4665.12,5225.71 4797.01,5225.71 4889.53,5225.71
beep: Con7.2 IC4.2 | length 832.7
  Top Layer w20: v3(7879.83,6302.99) 7879.92,6302.91 7879.92,6258.31 IC4.2@7880,6258.23
  Bottom Layer w12: v3(7879.83,6302.99) 7904.08,6278.75 8426.25,6278.75 8484.02,6220.98 8484.02,6209.17 8573.19,6120 Con7.2@8585,6120
EN: C86.2 R98.2 R100.1 U5.6 | length 2693.7
  Top Layer w10: v3(5212.94,5701.45) 5216.99,5705.49 5216.99,5734.45 5222.24,5739.71 U5.6@5222.24,5778.66
  Top Layer w25: v3(3366.65,6010.57) 3368.32,6012.24 3368.32,6073.05 R98.2@3370,6074.72 C86.2@3450,6074.72 R100.1@3530,6074.72
  Bottom Layer w10: v3(3366.65,6010.57) 3366.65,5763.35 3510,5620 3977.39,5620 4108.25,5750.86 4924.26,5750.86 5090.12,5585 5204.14,5585 5212.94,5593.8 v3(5212.94,5701.45)
fan: IC4.9 R66.1 | length 4273.9
  Top Layer w20: v2(7505,5780) 7440,5715 7440,4937.88 8068.39,4309.49 8068.39,3911.61 8385,3595 R66.1@8595,3595 ; IC4.9@8180,6471.77 8182.8,6468.98 8182.8,6443.19 8194.51,6431.47 8328.25,6431.47 8339.97,6419.76 v2(8340,6140)
  Bottom Layer w20: v2(7505,5780) 7605,5880 8080,5880 v2(8340,6140)